# Altium PCB KB-PCB-R02.PcbDoc (part 1 of 5)
Units mm, origin at the board's own origin, x right, y up, seen from the top; angles counter-clockwise.
Board outline 263.4 x 114.34 mm, 4 copper layers (SIG_TOP, GND, PWR, SIG_BOTTOM), stack 1.118 mm thick; 686 components, 425 nets, 2244 pads, 421 vias.
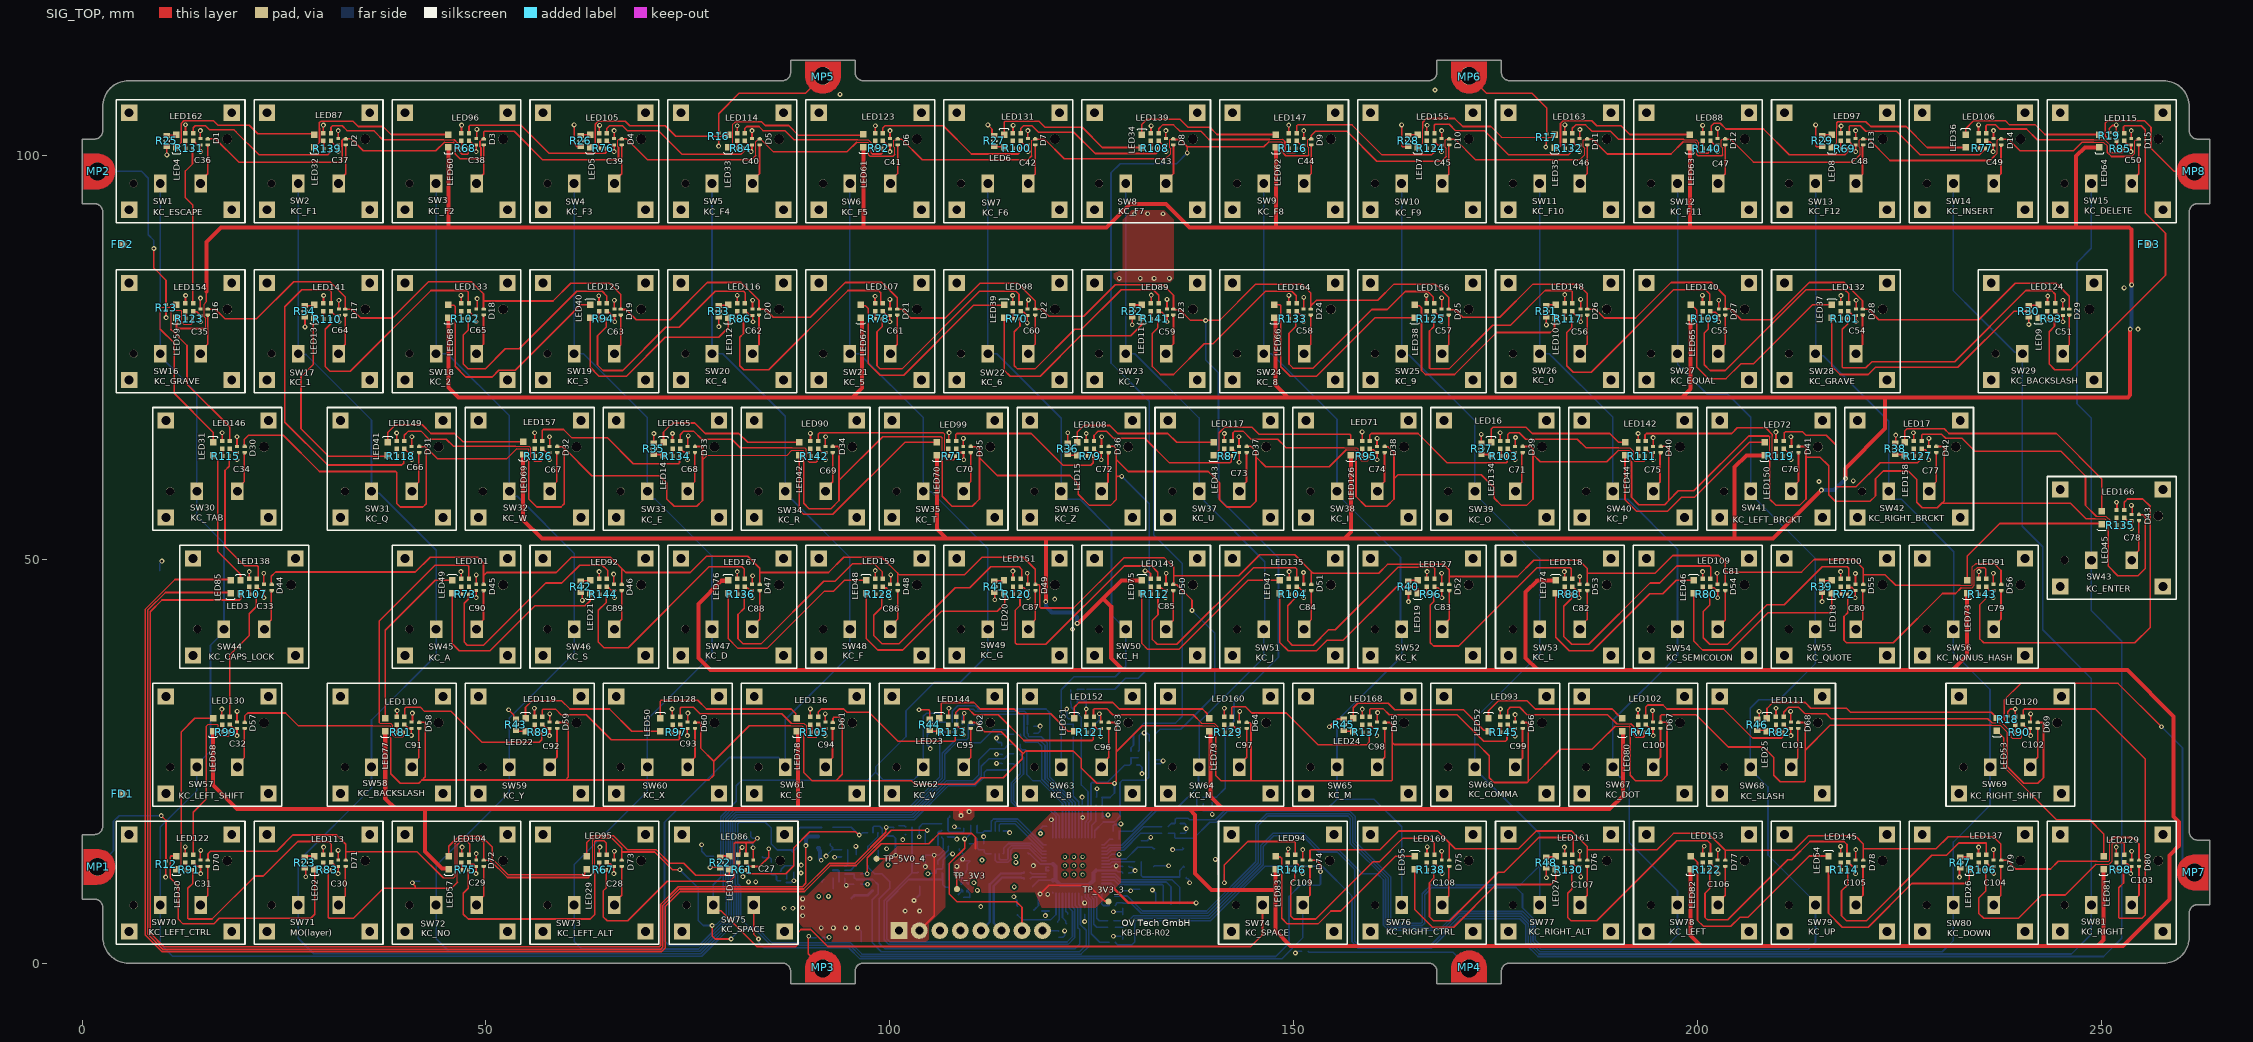
[diagram p0: SIG_TOP view]
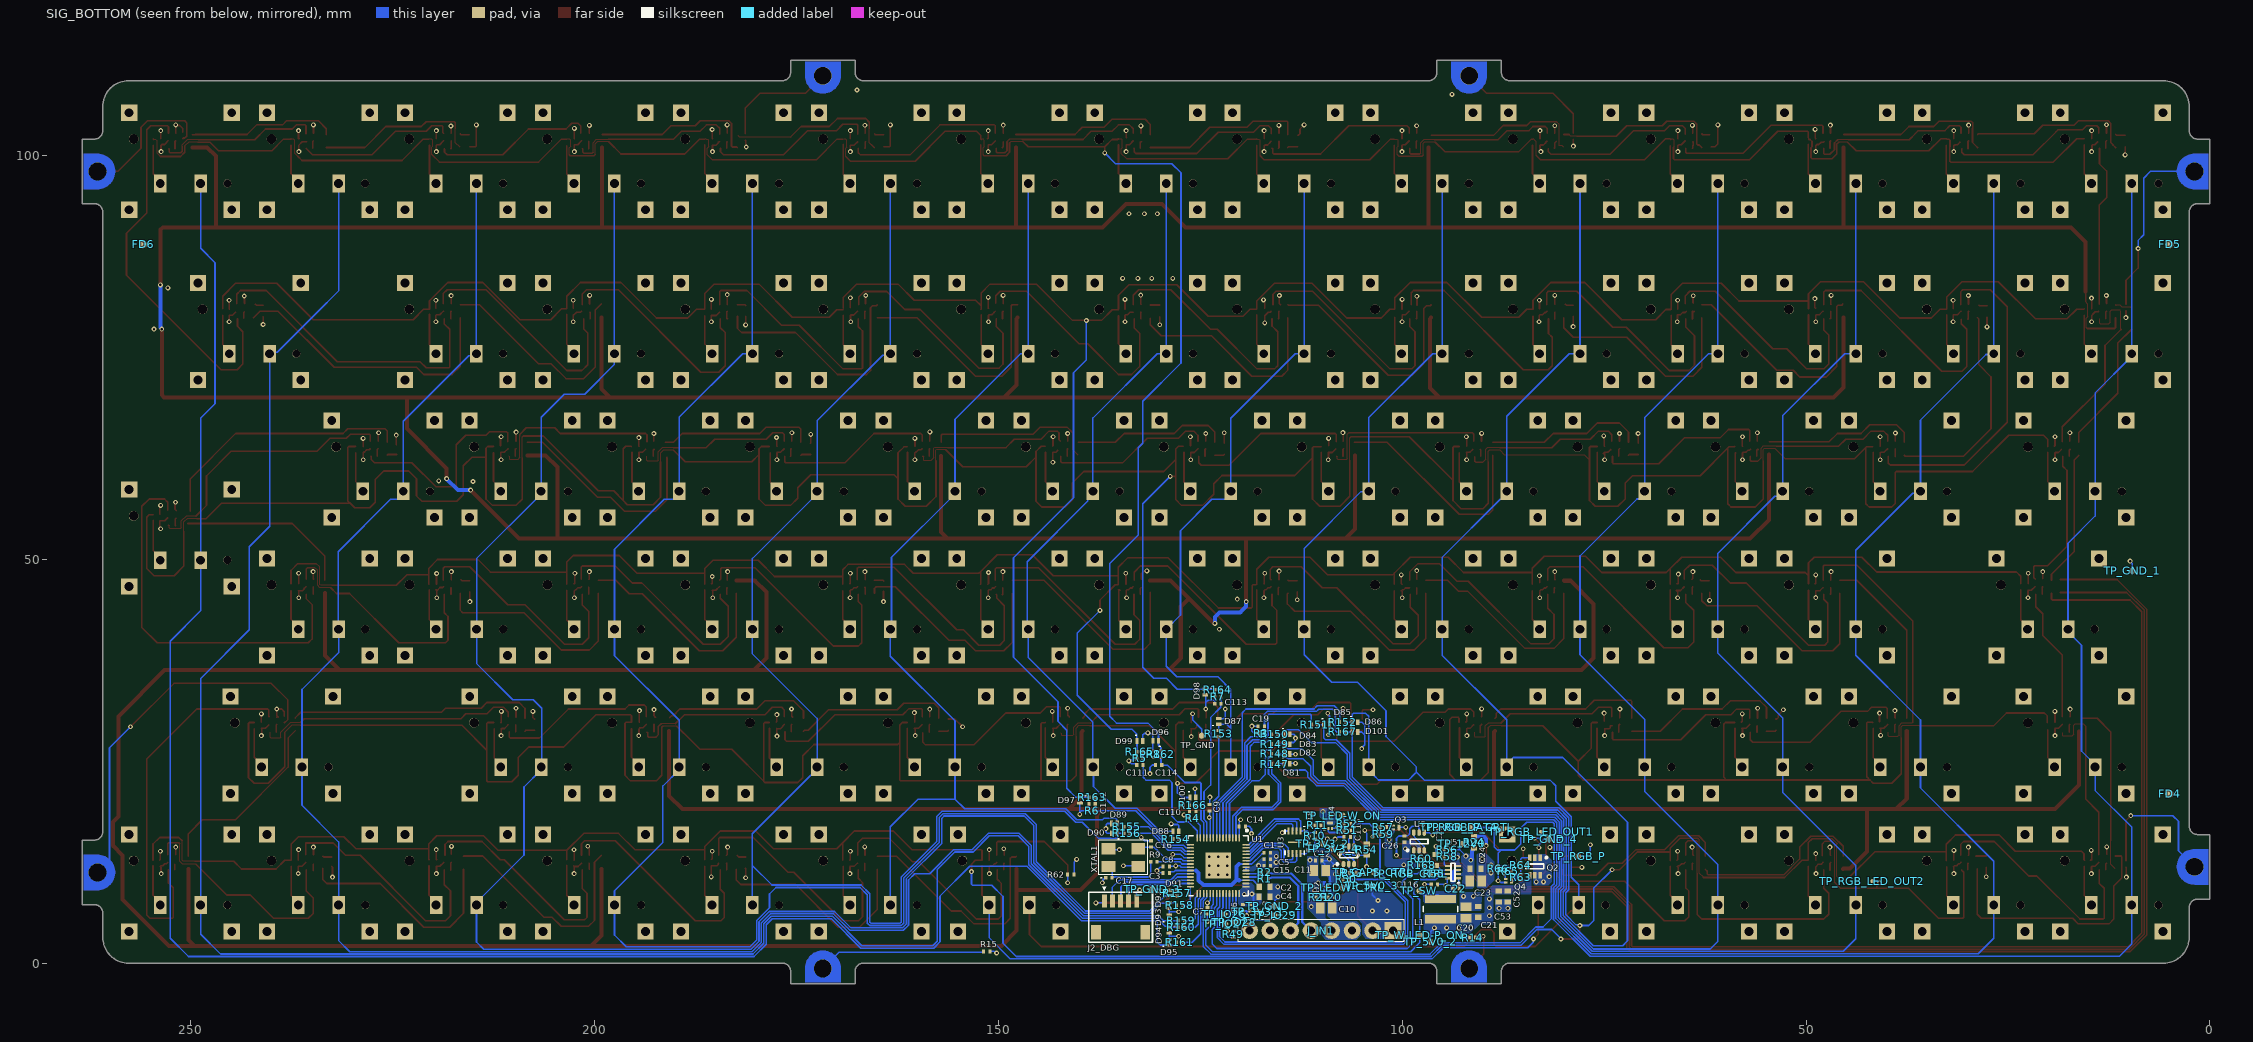
[diagram p1: SIG_BOTTOM view, seen from below]
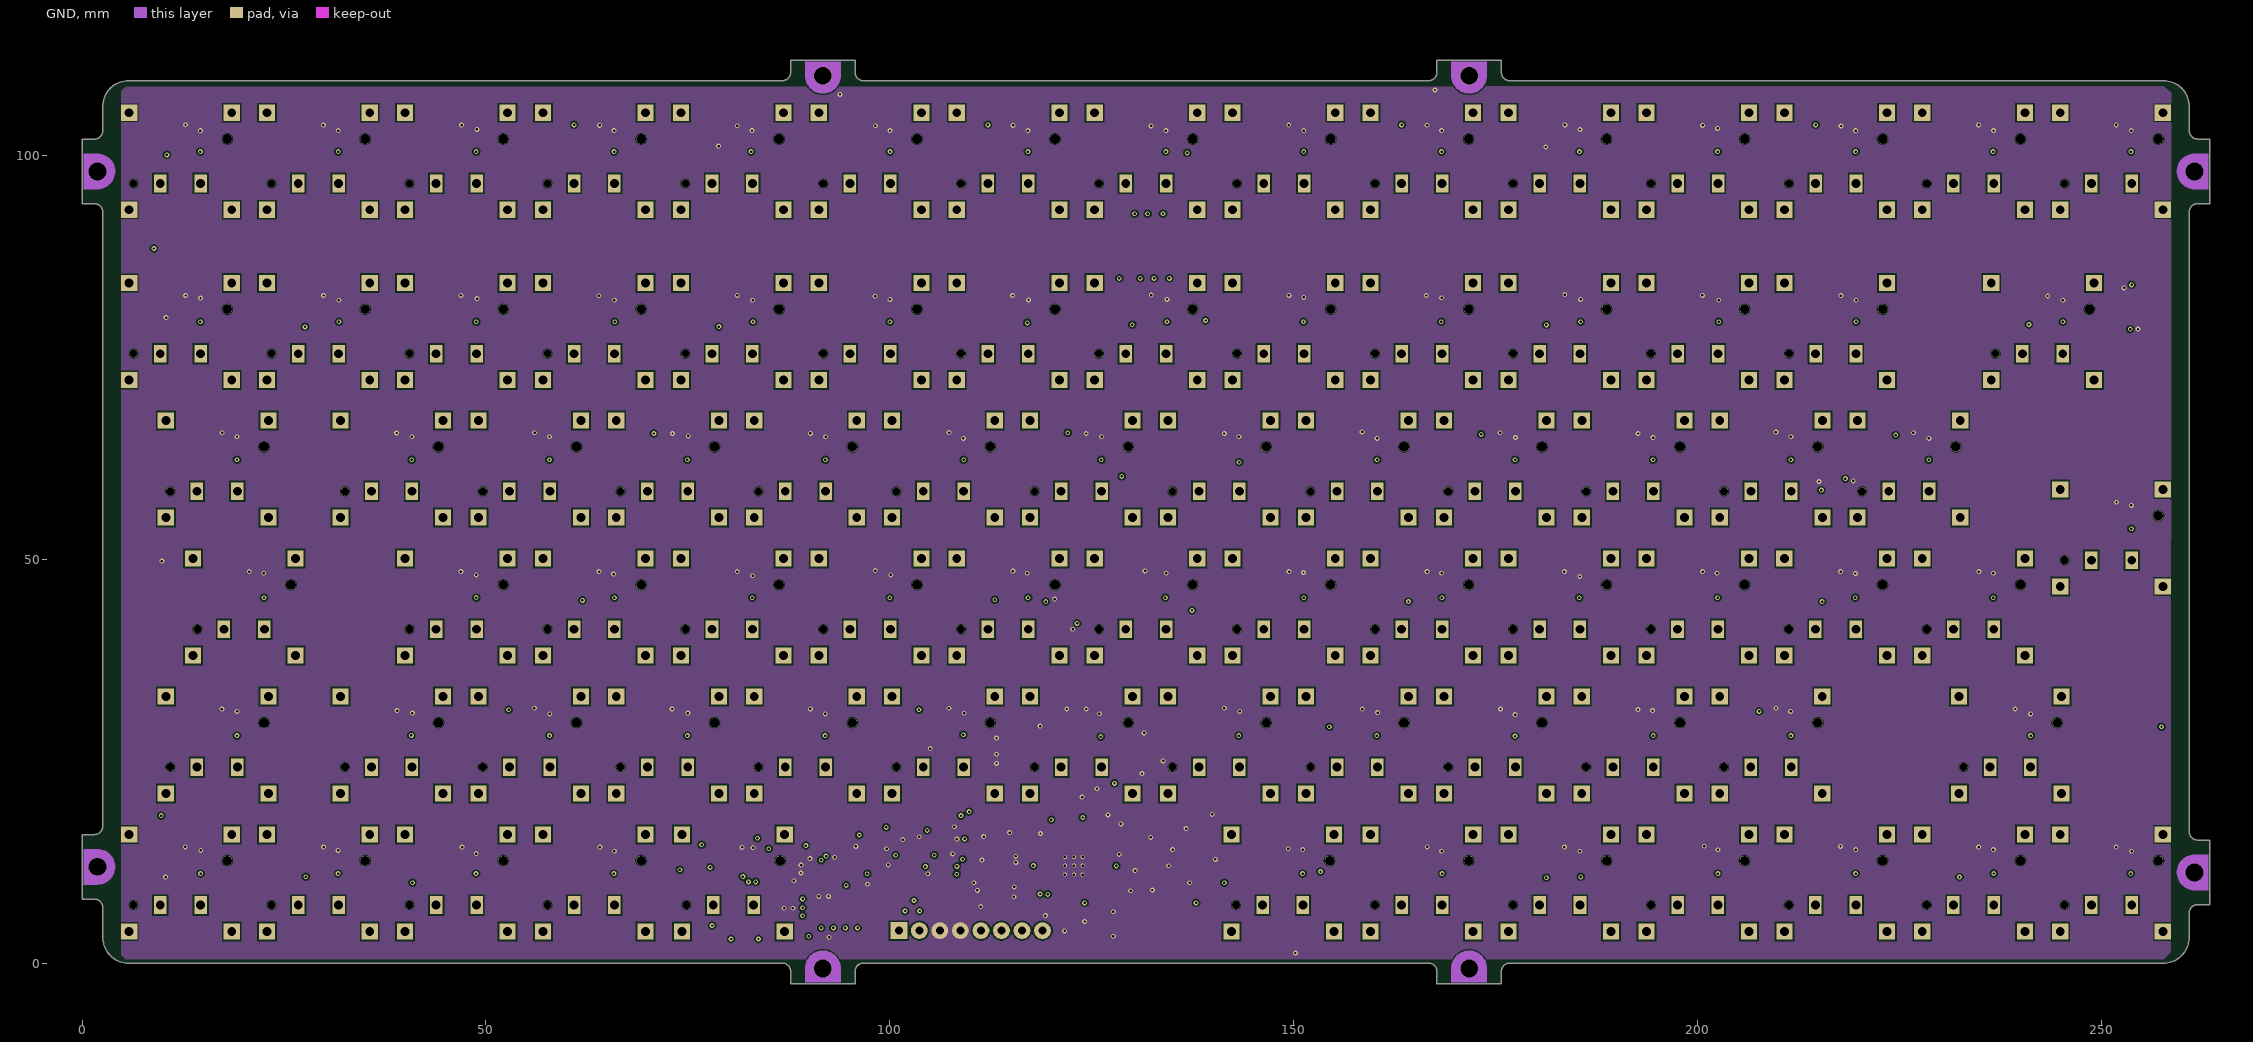
[diagram p2: GND]
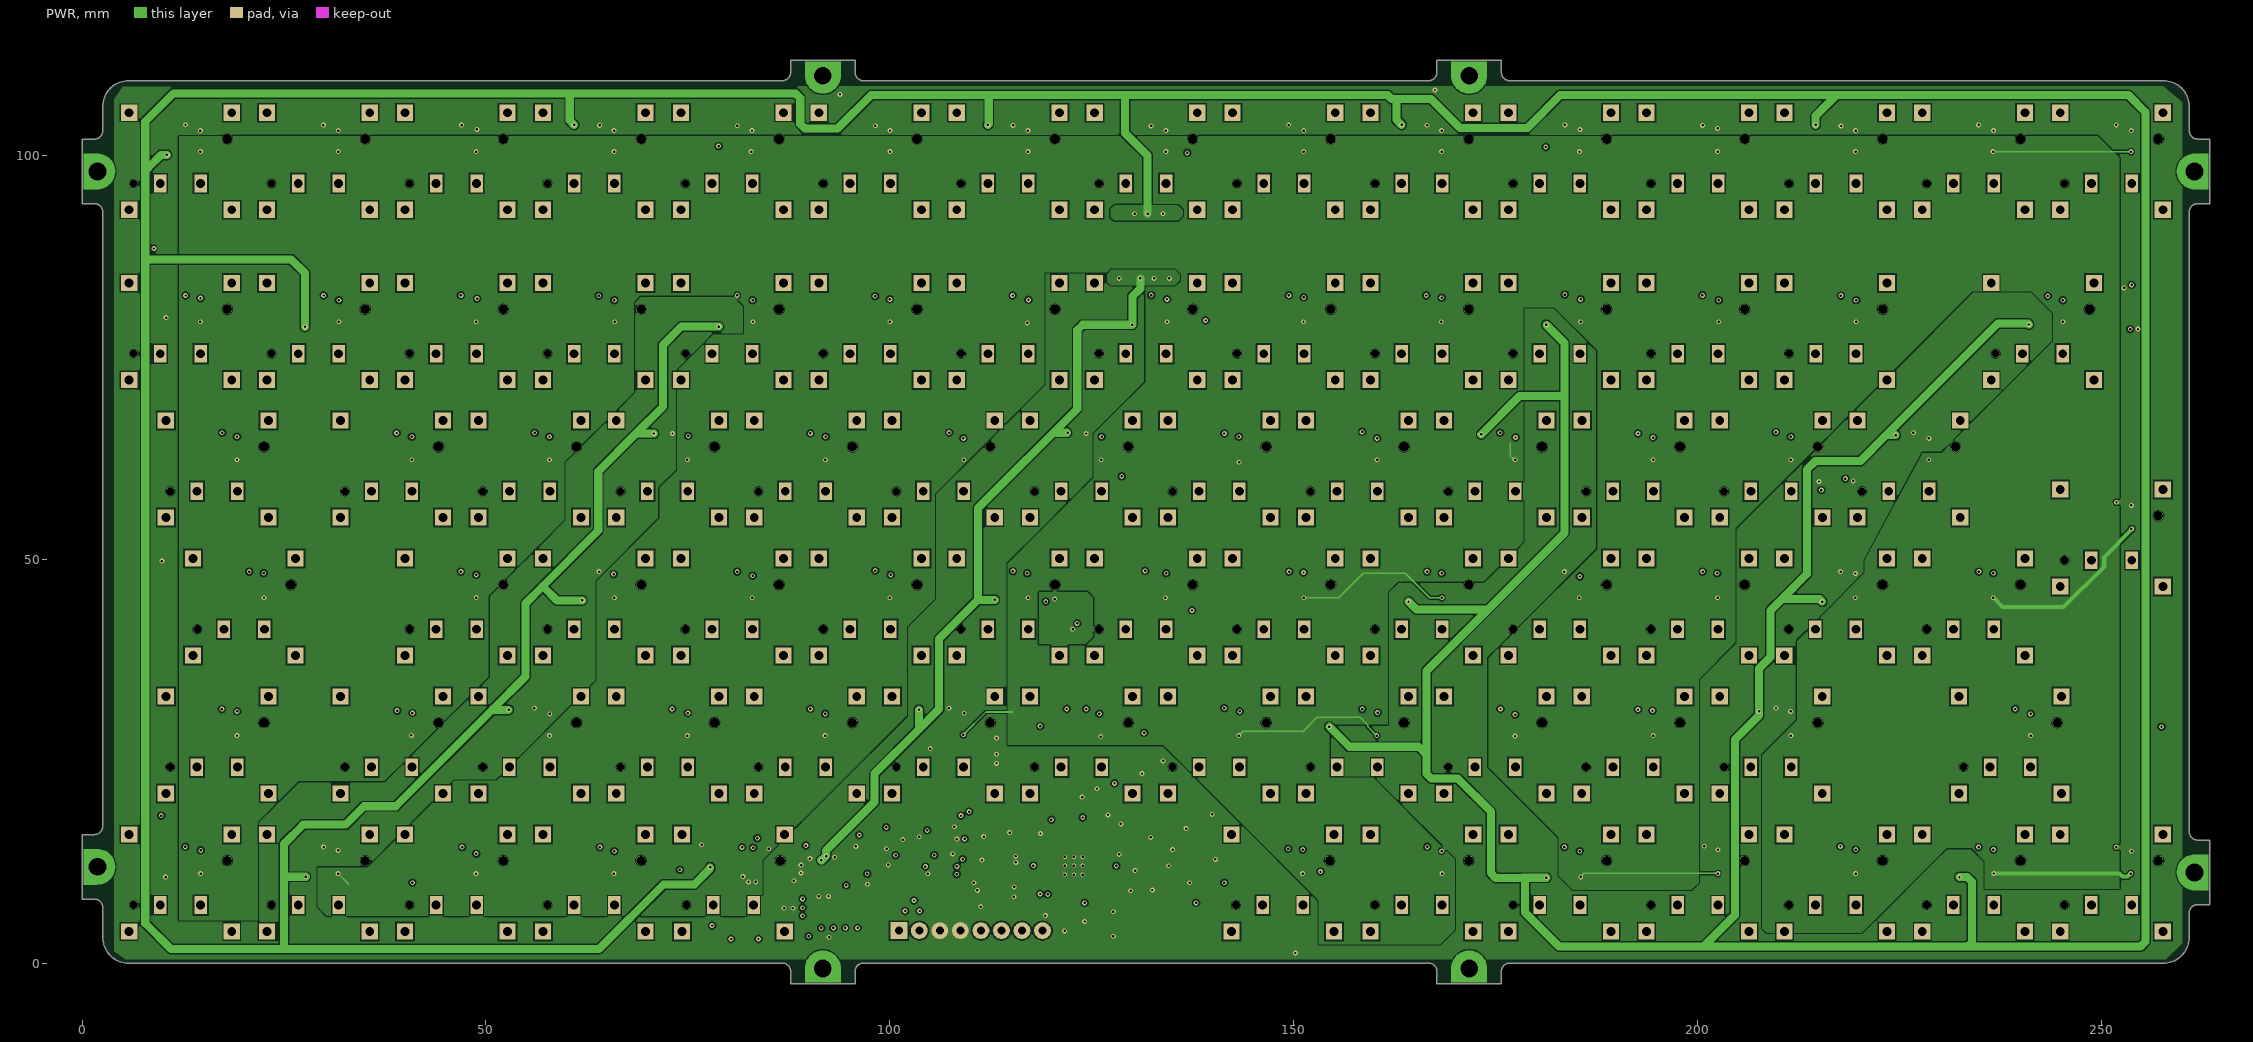
[diagram p3: PWR]
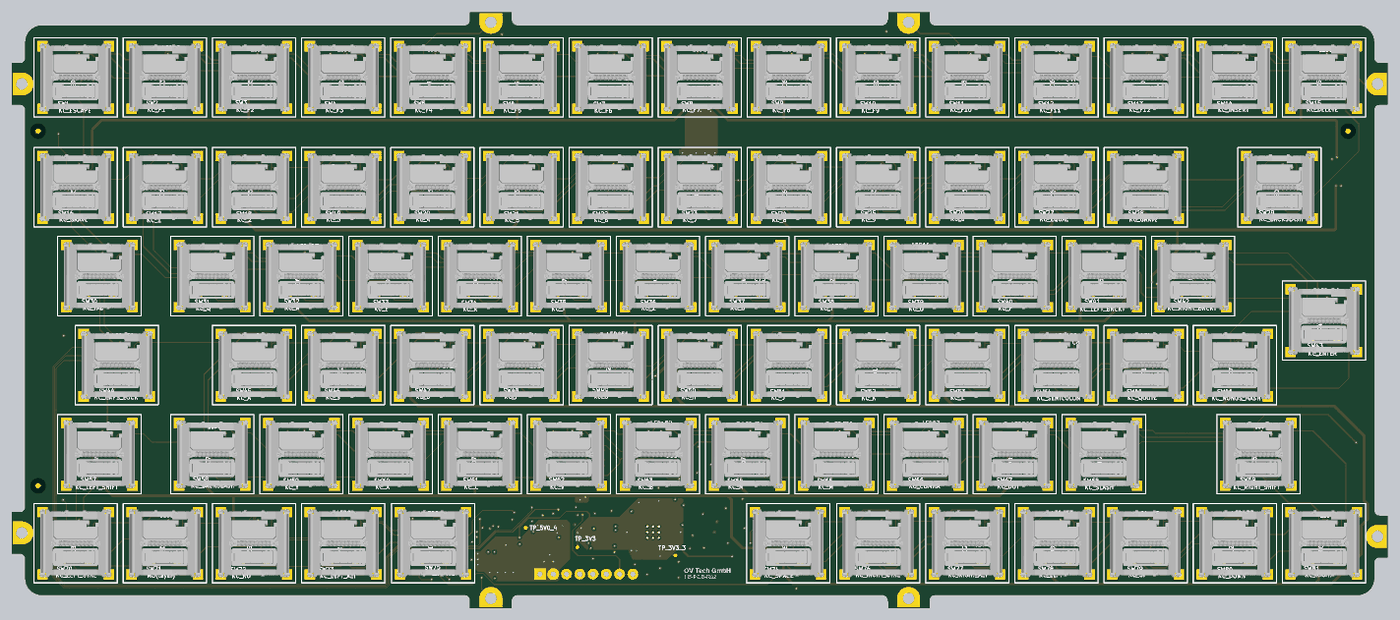
[diagram p8: 3D render of the assembled board from above, using the file's embedded part models]
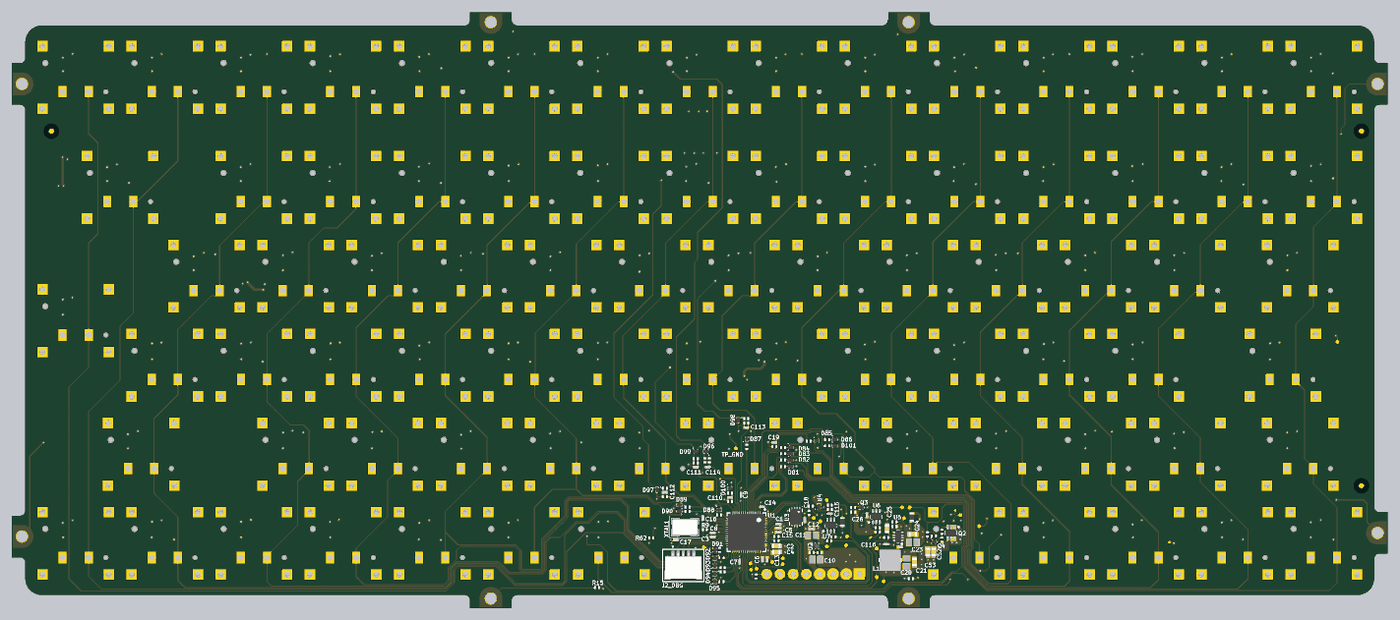
[diagram p9: 3D render of the assembled board from below, using the file's embedded part models]

## Layer stack, top to bottom
Top Solder: solder mask 0.035, Solder Resist, Dk 3.5
SIG_TOP: signal copper 0.0356
Dielectric 2: prepreg 0.2083, PP-022, Dk 4.5
GND: signal copper 0.0152
Dielectric 1: core 0.6, FR-4, Dk 4.8
PWR: signal copper 0.0152
Dielectric 3: prepreg 0.2083, PP-022, Dk 4.5
SIG_BOTTOM: signal copper 0.0356
Bottom Solder: solder mask 0.035, Solder Resist, Dk 3.5

## Board outline
1.55,7.964 cw(c1.55,6.964) 2.55,6.964 2.55,3.279 ccw(c5.785,3.279) 5.785,0.044 86.703,0.044 cw(c86.703,-0.956) 87.703,-0.956 87.703,-2.506 95.703,-2.506 95.703,-0.956 cw(c96.703,-0.956) 96.703,0.044 166.703,0.044 cw(c166.703,-0.956) 167.703,-0.956 167.703,-2.506 175.703,-2.506 175.703,-0.956 cw(c176.703,-0.956) 176.703,0.044 257.62,0.044 ccw(c257.62,3.279) 260.855,3.279 260.855,6.279 cw(c261.855,6.279) 261.855,7.279 263.405,7.279 263.405,15.279 261.855,15.279 cw(c261.855,16.279) 260.855,16.279 260.855,93.049 cw(c261.855,93.049) 261.855,94.049 263.405,94.049 263.405,102.049 261.855,102.049 cw(c261.855,103.049) 260.855,103.049 260.855,106.049 ccw(c257.62,106.049) 257.62,109.284 176.703,109.284 cw(c176.703,110.284) 175.703,110.284 175.703,111.834 167.703,111.834 167.703,110.284 cw(c166.703,110.284) 166.703,109.284 96.703,109.284 cw(c96.703,110.284) 95.703,110.284 95.703,111.834 87.703,111.834 87.703,110.284 cw(c86.703,110.284) 86.703,109.284 5.785,109.284 ccw(c5.785,106.049) 2.55,106.049 2.55,103.049 cw(c1.55,103.049) 1.55,102.049 0,102.049 0,94.049 1.55,94.049 cw(c1.55,93.049) 2.55,93.049 2.55,16.964 cw(c1.55,16.964) 1.55,15.964 0,15.964 0,7.964

## Design rules (kind name [scope] priority, off if disabled: settings)
Clearance Clearance_SelectiveSoldering [InPadClass('Selective soldering') vs OnLayer('SIG_BOTTOM') and IsPad] p1: gap=0.1 ignorepadtopadclearanceinfootprint=TRUE except(2: SMDPad-THPad THPad-THPad)
Clearance [All] p2: gap=0.1 ignorepadtopadclearanceinfootprint=TRUE except(0.2: Track-Poly SMDPad-Poly THPad-Poly Via-Poly Fill-Poly Poly-Poly)
ComponentClearance [All] p1: gap=0.1 collisioncheckmode=3 verticalgap=0.254 showdistances=FALSE
DiffPairsRouting [All] p1: maxlimit=0.203 minlimit=0.1 mostfreqgap=0.203 toplayer_mingap=0.203 toplayer_minwidth=0.286 toplayer_maxwidth=0.286 toplayer_prefwidth=0.286 midlayer1_mingap=0.127 midlayer1_maxgap=0.127 midlayer1_prefgap=0.127 midlayer1_minwidth=0.145 midlayer1_maxwidth=0.145 midlayer1_prefwidth=0.145 midlayer2_mingap=0.127 midlayer2_maxgap=0.127 midlayer2_prefgap=0.127 midlayer2_minwidth=0.145 midlayer2_maxwidth=0.145 midlayer2_prefwidth=0.145 bottomlayer_minwidth=0.2 bottomlayer_maxwidth=0.286 bottomlayer_prefwidth=0.286 impedanceprofiledriven=TRUE impedanceprofileid={08B635DC-B31E-4E8D-82A2-08C18274B0C1} impedanceprofilevalue=90.000000 maxuncoupledlength=12.7
HoleSize [All] p1: absolutevalues=TRUE maxlimit=6.3 minlimit=0.2 maxpercent=80.000 minpercent=20.000
HoleToHoleClearance [All] p1: gap=0.406 allowstackedmicrovias=TRUE
MinimumAnnularRing [All] p1 off: minimumring=0.15
MinimumSolderMaskSliver [not IsPad] p1: minsoldermaskwidth=0.1
PolygonConnect [All] p1: connectstyle=Direct reliefconductorwidth=0.254 reliefentries=4 polygonreliefangle="90 Angle" airgapwidth=0.254
RoutingVias [All] p1: holewidth=0.3 width=0.6 viastyle="Through Hole" minholewidth=0.2 minwidth=0.5 maxholewidth=6.3 maxwidth=0.8
SilkToSilkClearance [All] p1: silktosilkclearance=0.01
SilkToSolderMaskClearance [IsPad] p1: minsilkscreentomaskgap=0 clearancetoexposedcopper=TRUE
SolderMaskExpansion [All] p1: expansion=0.08 istentingtop=FALSE
Width [All] p1: maxlimit=10 minlimit=0.15 preferedwidth=0.2
23 further rules are at their usual default settings.

## Classes and differential pairs
pad class "Selective soldering": SW1- SW1-1 SW1-2 SW1-MT SW2- SW2-1 SW2-2 SW2-MT SW3- SW3-1 SW3-2 SW3-MT SW4- SW4-1 SW4-2 SW4-MT SW5- SW5-1 SW5-2 SW5-MT SW6- SW6-1 SW6-2 SW6-MT SW7- SW7-1 SW7-2 SW7-MT SW8- SW8-1 SW8-2 SW8-MT SW9- SW9-1 SW9-2 SW9-MT SW10- SW10-1 SW10-2 SW10-MT SW11- SW11-1 SW11-2 SW11-MT SW12- SW12-1 SW12-2 SW12-MT SW13- SW13-1 SW13-2 SW13-MT SW14- SW14-1 SW14-2 SW14-MT SW15- SW15-1 SW15-2 SW15-MT SW16- SW16-1 SW16-2 SW16-MT SW17- SW17-1 SW17-2 SW17-MT SW18- SW18-1 SW18-2 SW18-MT SW19- SW19-1 SW19-2 SW19-MT SW20- SW20-1 SW20-2 SW20-MT SW21- SW21-1 SW21-2 SW21-MT SW22- SW22-1 SW22-2 SW22-MT SW23- SW23-1 SW23-2 SW23-MT SW24- SW24-1 SW24-2 SW24-MT SW25- SW25-1 SW25-2 SW25-MT SW26- SW26-1 SW26-2 SW26-MT SW27- SW27-1 SW27-2 SW27-MT SW28- SW28-1 SW28-2 SW28-MT SW29- SW29-1 SW29-2 SW29-MT SW30- SW30-1 SW30-2 SW30-MT SW31- SW31-1 SW31-2 SW31-MT SW32- SW32-1 SW32-2 SW32-MT SW33- SW33-1 SW33-2 SW33-MT SW34- SW34-1 SW34-2 SW34-MT SW35- SW35-1 SW35-2 SW35-MT SW36- SW36-1 SW36-2 SW36-MT SW37- SW37-1 SW37-2 SW37-MT SW38- SW38-1 SW38-2 SW38-MT SW39- SW39-1 SW39-2 SW39-MT SW40- SW40-1 SW40-2 SW40-MT SW41- SW41-1 SW41-2 SW41-MT SW42- SW42-1 SW42-2 SW42-MT SW43- SW43-1 SW43-2 SW43-MT SW44- SW44-1 SW44-2 SW44-MT SW45- SW45-1 SW45-2 SW45-MT SW46- SW46-1 SW46-2 SW46-MT SW47- SW47-1 SW47-2 SW47-MT SW48- SW48-1 SW48-2 SW48-MT SW49- SW49-1 SW49-2 SW49-MT SW50- SW50-1 SW50-2 SW50-MT SW51- SW51-1 SW51-2 SW51-MT SW52- SW52-1 SW52-2 SW52-MT SW53- SW53-1 SW53-2 SW53-MT SW54- SW54-1 SW54-2 SW54-MT SW55- SW55-1 SW55-2 SW55-MT SW56- SW56-1 SW56-2 SW56-MT SW57- SW57-1 SW57-2 SW57-MT SW58- SW58-1 SW58-2 SW58-MT SW59- SW59-1 SW59-2 SW59-MT SW60- SW60-1 SW60-2 SW60-MT SW61- SW61-1 SW61-2 SW61-MT SW62- SW62-1 SW62-2 SW62-MT SW63- SW63-1 SW63-2 SW63-MT SW64- SW64-1 SW64-2 SW64-MT SW65- SW65-1 SW65-2 SW65-MT SW66- SW66-1 SW66-2 SW66-MT SW67- SW67-1 SW67-2 SW67-MT SW68- SW68-1 SW68-2 SW68-MT SW69- SW69-1 SW69-2 SW69-MT SW70- SW70-1 SW70-2 SW70-MT SW71- SW71-1 SW71-2 SW71-MT SW72- SW72-1 SW72-2 SW72-MT SW73- SW73-1 SW73-2 SW73-MT SW74- SW74-1 SW74-2 SW74-MT SW75- SW75-1 SW75-2 SW75-MT SW76- SW76-1 SW76-2 SW76-MT SW77- SW77-1 SW77-2 SW77-MT SW78- SW78-1 SW78-2 SW78-MT SW79- SW79-1 SW79-2 SW79-MT SW80- SW80-1 SW80-2 SW80-MT SW81- SW81-1 SW81-2 SW81-MT
net class row: NetD1_1 NetD16_1 NetD30_1 NetD44_1 NetD57_1 NetD70_1
net class QSPI: QSPI_SCLK QSPI_SD0 QSPI_SD1 QSPI_SD2 QSPI_SD3 QSPI_SS
net class column: NetD81_1 NetD82_1 NetD83_1 NetD84_1 NetD85_1 NetD86_1 NetD87_1 NetD88_1 NetD89_1 NetD90_1 NetD91_1 NetD92_1 NetD93_1 NetD94_1 NetD95_1
component class backlight_W: 1.55mm C20 C21 C22 C23 C24 C25 C115 C116 L1 LED1 LED2 LED3 LED4 LED5 LED6 LED7 LED8 LED9 LED10 LED11 LED12 LED13 LED14 LED15 LED16 LED17 LED18 LED19 LED20 LED21 LED22 LED23 LED24 LED25 LED26 LED27 LED29 LED30 LED31 LED32 LED33 LED34 LED35 LED36 LED37 LED38 LED39 LED40 LED41 LED42 LED43 LED44 LED45 LED46 LED47 LED48 LED49 LED50 LED51 LED52 LED53 LED54 LED55 LED57 LED58 LED59 LED60 LED61 LED62 LED63 LED64 LED65 LED66 LED67 LED68 LED69 LED70 LED71 LED72 LED73 LED74 LED75 LED76 LED77 LED78 LED79 LED80 LED81 LED82 LED83 LED85 Q3 R22 R23 R24 R25 R26 R27 R28 R29 R30 R31 R32 R33 R34 R35 R36 R37 R38 R39 R40 R41 R42 R43 R44 R45 R46 R47 R48 R50 R51 R52 R53 R54 R55 R56 R57 R58 R59 TP_12V0 TP_CAPS_CTRL TP_GND TP_LED-W_ON TP_LEDW-CTRL TP_SW TP_W-LED-P_ON U4 U5 U7
component class backlight_RGB: C26 C27 C28 C29 C30 C31 C32 C33 C34 C35 C36 C37 C38 C39 C40 C41 C42 C43 C44 C45 C46 C47 C48 C49 C50 C51 C52 C53 C54 C55 C56 C57 C58 C59 C60 C61 C62 C63 C64 C65 C66 C67 C68 C69 C70 C71 C72 C73 C74 C75 C76 C77 C78 C79 C80 C81 C82 C83 C84 C85 C86 C87 C88 C89 C90 C91 C92 C93 C94 C95 C96 C97 C98 C99 C100 C101 C102 C103 C104 C105 C106 C107 C108 C109 LED86 LED87 LED88 LED89 LED90 LED91 LED92 LED93 LED94 LED95 LED96 LED97 LED98 LED99 LED100 LED101 LED102 LED104 LED105 LED106 LED107 LED108 LED109 LED110 LED111 LED113 LED114 LED115 LED116 LED117 LED118 LED119 LED120 LED122 LED123 LED124 LED125 LED126 LED127 LED128 LED129 LED130 LED131 LED132 LED133 LED134 LED135 LED136 LED137 LED138 LED139 LED140 LED141 LED142 LED143 LED144 LED145 LED146 LED147 LED148 LED149 LED150 LED151 LED152 LED153 LED154 LED155 LED156 LED157 LED158 LED159 LED160 LED161 LED162 LED163 LED164 LED165 LED166 LED167 LED168 LED169 Q2 Q4 R60 R61 R62 R63 R64 R65 R66 R67 R68 R69 R70 R71 R72 R73 R74 R75 R76 R77 R78 R79 R80 R81 R82 R83 R84 R85 R86 R87 R88 R89 R90 R91 R92 R93 R94 R95 R96 R97 R98 R99 R100 R101 R102 R103 R104 R105 R106 R107 R108 R109 R110 R111 R112 R113 R114 R115 R116 R117 R118 R119 R120 R121 R122 R123 R124 R125 R126 R127 R128 R129 R130 R131 R132 R133 R134 R135 R136 R137 R138 R139 R140 R141 R142 R143 R144 R145 R146 R168 TP_RGB_CTRL TP_RGB_DATA TP_RGB_LED_OUT1 TP_RGB_LED_OUT2 TP_RGB_P TP_RGB_P_CRTL U6
component class Keymatrix_switches: D1 D2 D3 D4 D5 D6 D7 D8 D9 D10 D11 D12 D13 D14 D15 D16 D17 D18 D19 D20 D21 D22 D23 D24 D25 D26 D27 D28 D29 D30 D31 D32 D33 D34 D35 D36 D37 D38 D39 D40 D41 D42 D43 D44 D45 D46 D47 D48 D49 D50 D51 D52 D53 D54 D55 D56 D57 D58 D59 D60 D61 D62 D63 D64 D65 D66 D67 D68 D69 D70 D71 D72 D73 D74 D75 D76 D77 D78 D79 D80 D81 D82 D83 D84 D85 D86 D87 D88 D89 D90 D91 D92 D93 D94 D95 D96 D97 D98 D99 D100 D101 R147 R148 R149 R150 R151 R152 R153 R154 R155 R156 R157 R158 R159 R160 R161 R162 R163 R164 R165 R166 R167 SW1 SW2 SW3 SW4 SW5 SW6 SW7 SW8 SW9 SW10 SW11 SW12 SW13 SW14 SW15 SW16 SW17 SW18 SW19 SW20 SW21 SW22 SW23 SW24 SW25 SW26 SW27 SW28 SW29 SW30 SW31 SW32 SW33 SW34 SW35 SW36 SW37 SW38 SW39 SW40 SW41 SW42 SW43 SW44 SW45 SW46 SW47 SW48 SW49 SW50 SW51 SW52 SW53 SW54 SW55 SW56 SW57 SW58 SW59 SW60 SW61 SW62 SW63 SW64 SW65 SW66 SW67 SW68 SW69 SW70 SW71 SW72 SW73 SW74 SW75 SW76 SW77 SW78 SW79 SW80 SW81
component class Input_MCU: C1 C2 C3 C4 C5 C6 C7 C8 C9 C10 C11 C12 C13 C14 C15 C16 C17 C18 C19 C110 C111 C112 C113 C114 FD1 FD2 FD3 FD4 FD5 FD6 J2_DBG J_IN1 MP1 MP2 MP3 MP4 MP5 MP6 MP7 MP8 R1 R2 R3 R4 R5 R6 R7 R8 R9 R10 R11 R12 R13 R14 R15 R16 R17 R18 R19 R20 R21 R49 TP_3V3 TP_3V3_1 TP_3V3_2 TP_3V3_3 TP_3V3_4 TP_5V0_2 TP_5V0_3 TP_5V0_4 TP_GND_1 TP_GND_2 TP_GND_3 TP_GND_4 TP_IO26 TP_IO27 TP_IO28 TP_IO29 U1 U2 U3 XTAL1
differential pair USB_MCU_D: +USB_MCU_D_P -USB_MCU_D_N
differential pair USB_D: +USB_D_P -USB_D_N

## Components (designator, comment, footprint, x,y, rotation, side; value= is the part's Value field where it differs from the comment)
C1 "100nF 25V" CAPC1005X06L 116.7,13.7 r180 bottom
C2 "1µF 16V" CAPC1608X10L 117.014,9.477 r180 bottom
C3 "100nF 25V" CAPC1005X06L 129.2,11.2 r0 bottom
C4 "1µF 16V" CAPC1608X10L 117.017,8.263 r180 bottom
C5 "100nF 25V" CAPC1005X06L 116.7,12.9 r180 bottom
C6 "100nF 25V" CAPC1005X06L 119.693,6.885 r270 bottom
C7 "100nF 25V" CAPC1005X06L 124.1,6.5 r270 bottom
C8 "100nF 25V" CAPC1005X06L 129.2,12 r0 bottom
C9 "100nF 25V" CAPC1005X06L 123.823,19.295 r90 bottom
C10 "10µF 16V" CAPC2012X14L 109.385,6.866 r0 bottom
C11 "10µF 16V" CAPC2012X14L 110.2,11.5 r0 bottom
C12 "100nF 25V" CAPC1005X06L 110.306,12.763 r0 bottom
C13 "100nF 25V" CAPC1005X06L 118.793,6.885 r270 bottom
C14 "100nF 25V" CAPC1005X06L 119.782,16.971 r180 bottom
C15 "100nF 25V" CAPC1005X06L 116.7,12.1 r180 bottom
C16 "27pF 25V" CAPC1005X06L 131.1,14.8 r90 bottom
C17 "27pF 25V" CAPC1005X06L 136.29,10.617 r0 bottom
C18 "100nF 25V" CAPC1005X06L 111.597,14.455 r90 bottom
C19 "330pF 50V" CAPC1005X06L 117.421,29.319 r0 bottom
C20 "22µF 25V" CAPC2012X14L 92.1,6.3 r90 bottom
C21 "10µF 25V" CAPC1608X10L 90.6,6.4 r90 bottom
C22 "100nF 25V" CAPC1005X06L 93.339,9.265 r180 bottom
C23 "22µF 25V" CAPC2012X14L 90.875,10.2 r180 bottom
C24 "10µF 25V" CAPC1608X10L 90.9,11.7 r180 bottom
C25 "1µF 16V" CAPC1608X10L 95.814,12.8 r90 bottom
C26 "100nF 25V" CAPC1005X06L 99.7,15.4 r270 bottom
C27 "100nF 25V" CAPC1005X06L 83.089,12.4 r90 top
C28 "100nF 25V" CAPC1005X06L 65.867,12.4 r90 top
C29 "100nF 25V" CAPC1005X06L 48.794,12.4 r90 top
C30 "100nF 25V" CAPC1005X06L 31.72,12.4 r90 top
C31 "100nF 25V" CAPC1005X06L 14.647,12.4 r90 top
C32 "100nF 25V" CAPC1005X06L 19.184,29.474 r90 top
C33 "100nF 25V" CAPC1005X06L 22.531,46.547 r90 top
C34 "100nF 25V" CAPC1005X06L 19.184,63.62 r90 top
C35 "100nF 25V" CAPC1005X06L 14.647,80.627 r90 top
C36 "100nF 25V" CAPC1005X06L 14.647,101.7 r90 top
C37 "100nF 25V" CAPC1005X06L 31.717,101.7 r90 top
C38 "100nF 25V" CAPC1005X06L 48.798,101.7 r90 top
C39 "100nF 25V" CAPC1005X06L 65.862,101.7 r90 top
C40 "100nF 25V" CAPC1005X06L 82.929,101.7 r90 top
C41 "100nF 25V" CAPC1005X06L 100.013,101.7 r90 top
C42 "100nF 25V" CAPC1005X06L 117.079,101.7 r90 top
C43 "100nF 25V" CAPC1005X06L 134.162,101.7 r90 top
C44 "100nF 25V" CAPC1005X06L 151.234,101.7 r90 top
C45 "100nF 25V" CAPC1005X06L 168.294,101.7 r90 top
C46 "100nF 25V" CAPC1005X06L 185.362,101.7 r90 top
C47 "100nF 25V" CAPC1005X06L 202.462,101.7 r90 top
C48 "100nF 25V" CAPC1005X06L 219.545,101.7 r90 top
C49 "100nF 25V" CAPC1005X06L 236.605,101.7 r90 top
C50 "100nF 25V" CAPC1005X06L 253.662,101.7 r90 top
C51 "100nF 25V" CAPC1005X06L 245.2,80.627 r90 top
C52 "10µF 25V" CAPC1608X10L 86.9,8.3 r270 bottom
C53 "10µF 25V" CAPC1608X10L 88.042,8.3 r270 bottom
C54 "100nF 25V" CAPC1005X06L 219.6,80.627 r90 top
C55 "100nF 25V" CAPC1005X06L 202.6,80.627 r90 top
C56 "100nF 25V" CAPC1005X06L 185.5,80.627 r90 top
C57 "100nF 25V" CAPC1005X06L 168.3,80.627 r90 top
C58 "100nF 25V" CAPC1005X06L 151.2,80.627 r90 top
C59 "100nF 25V" CAPC1005X06L 134.3,80.627 r90 top
C60 "100nF 25V" CAPC1005X06L 117.032,80.629 r90 top
C61 "100nF 25V" CAPC1005X06L 100,80.627 r90 top
C62 "100nF 25V" CAPC1005X06L 83,80.627 r90 top
C63 "100nF 25V" CAPC1005X06L 65.9,80.627 r90 top
C64 "100nF 25V" CAPC1005X06L 31.8,80.627 r90 top
C65 "100nF 25V" CAPC1005X06L 48.8,80.627 r90 top
C66 "100nF 25V" CAPC1005X06L 40.794,63.62 r90 top
C67 "100nF 25V" CAPC1005X06L 57.867,63.62 r90 top
C68 "100nF 25V" CAPC1005X06L 74.94,63.62 r90 top
C69 "100nF 25V" CAPC1005X06L 92.014,63.62 r90 top
C70 "100nF 25V" CAPC1005X06L 109.087,63.62 r90 top
C71 "100nF 25V" CAPC1005X06L 177.38,63.62 r90 top